# Altium PCB Temp_meter_16CH.PcbDoc (part 3 of 4) (continued)
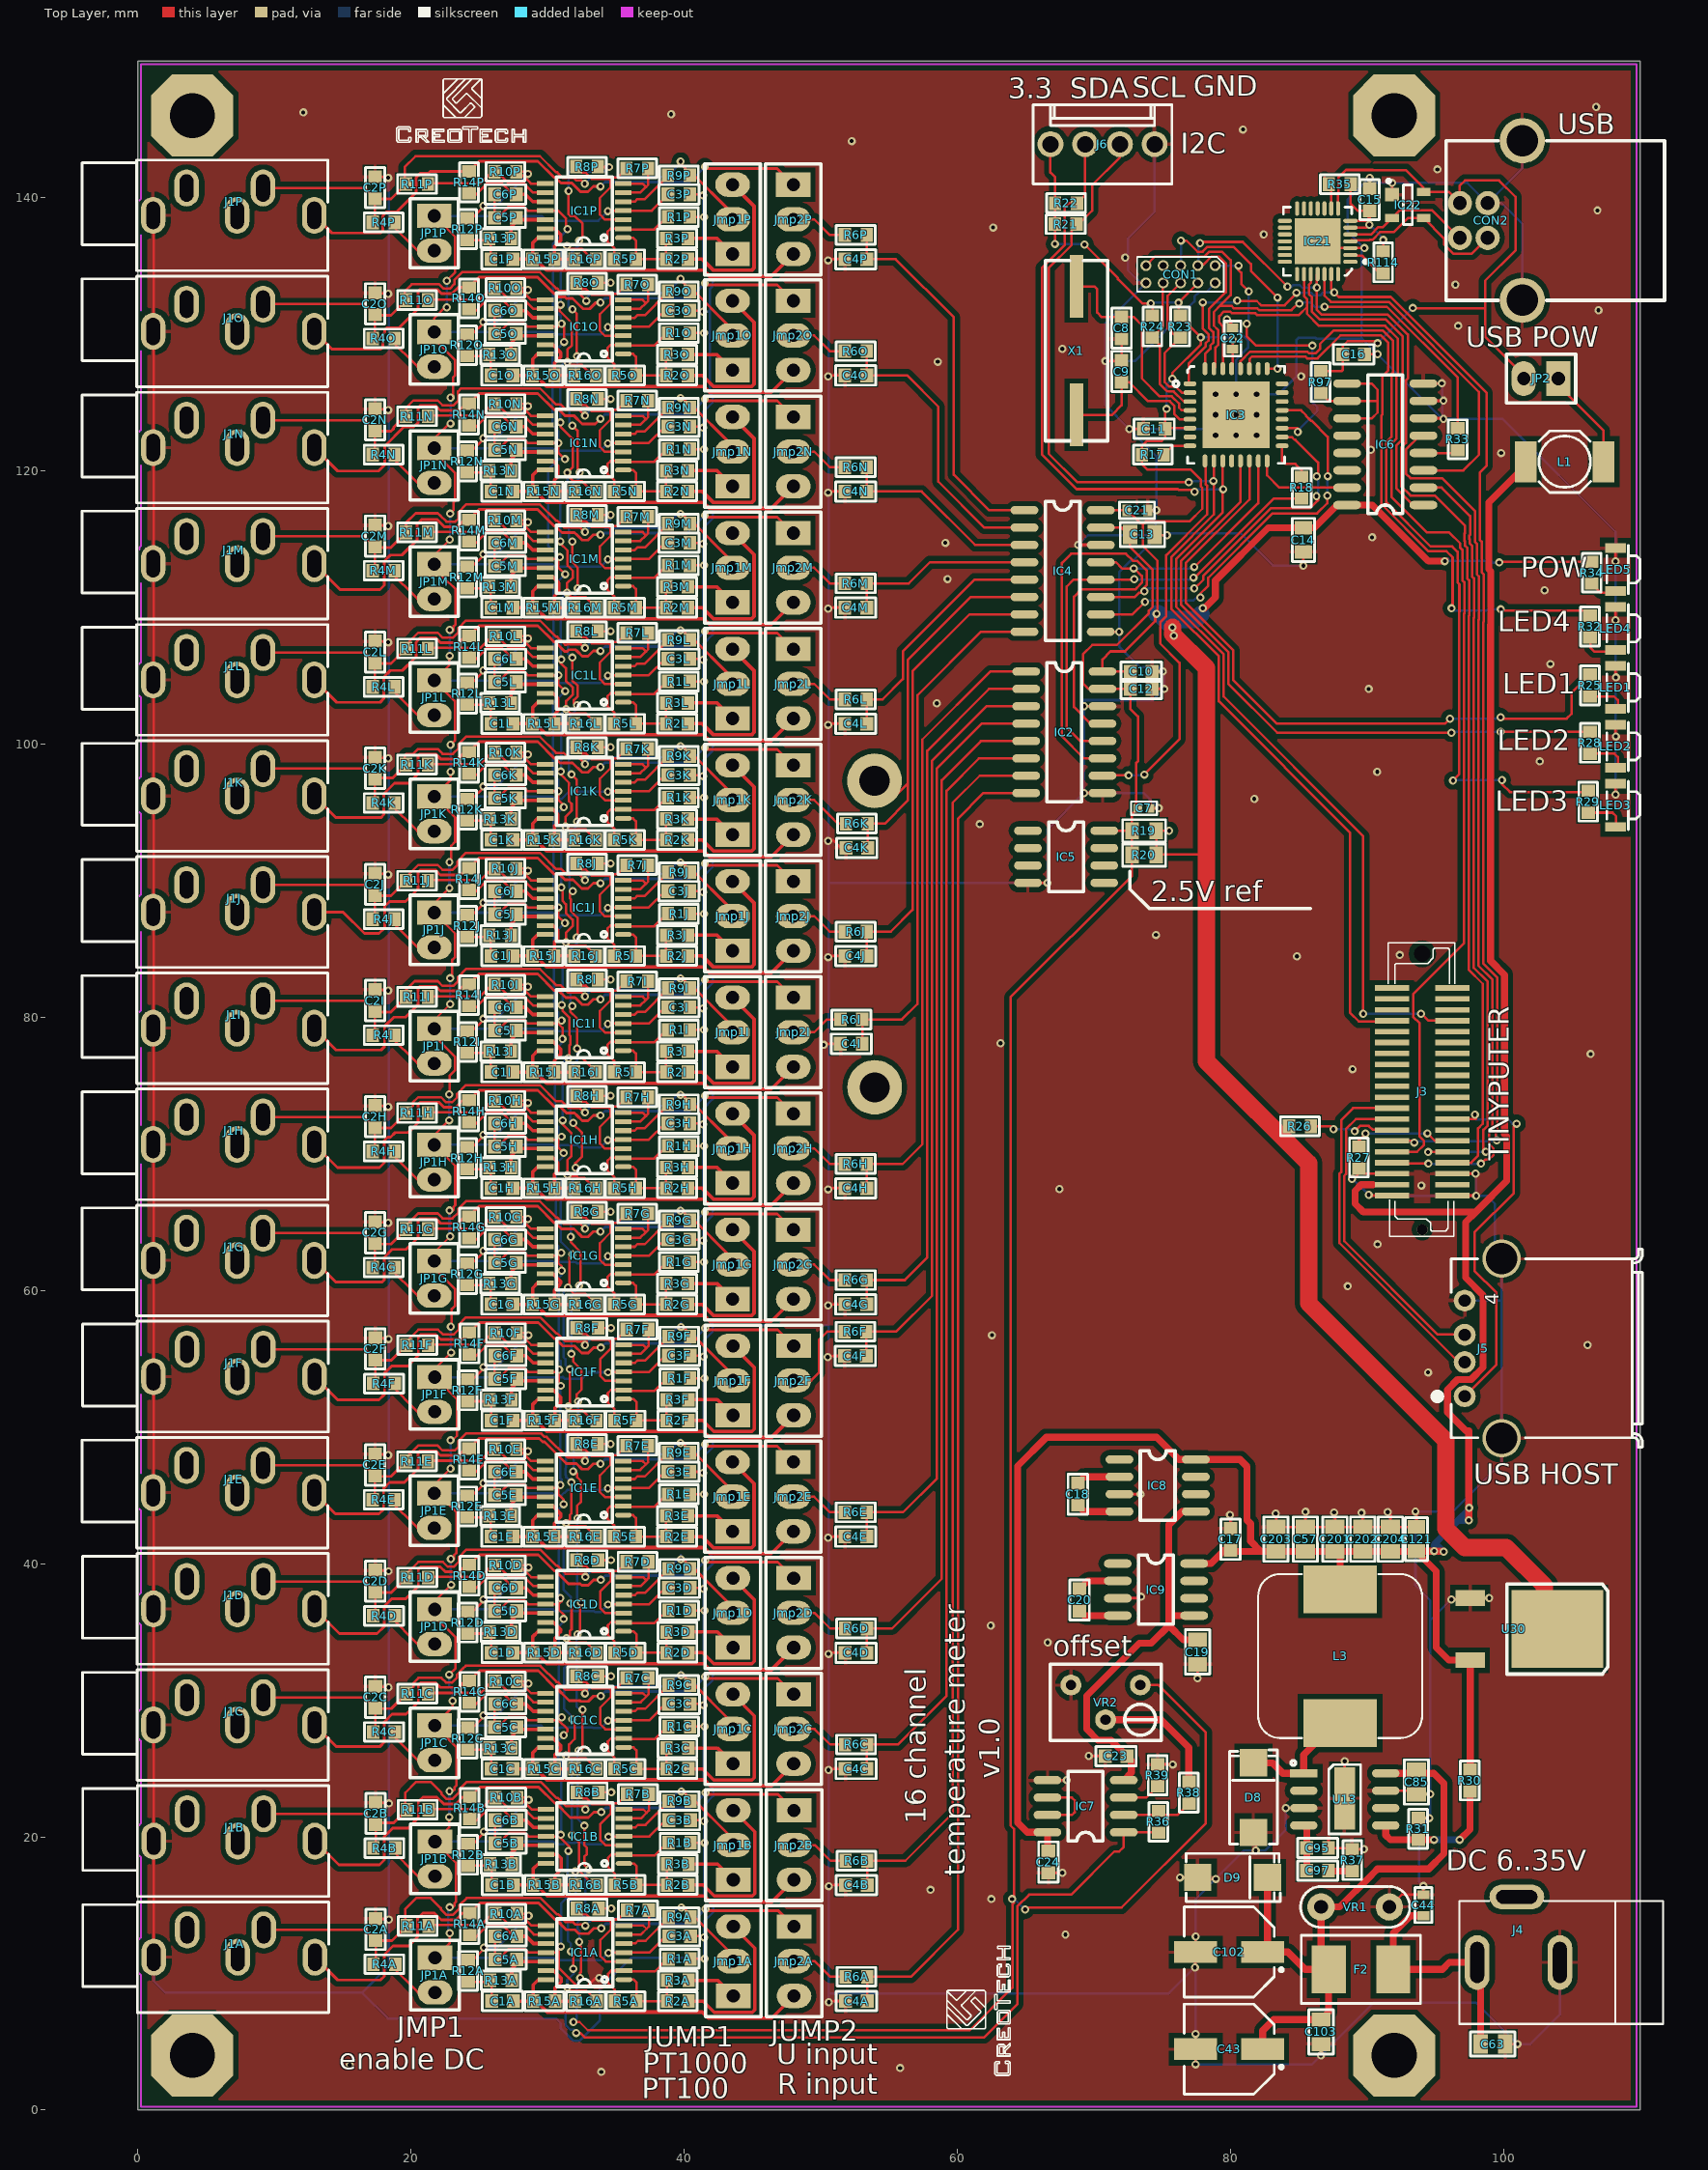
[diagram p0: Top Layer view]
## Nets (pads, with @x,y where several pads share a name; then routed paths per layer and width w, separated by ;. In a path a pad name is that pad's centre, name@x,y a point inside that pad or via, vN(x,y) a via of type N, cw(c..) or ccw(c..) an arc to the next point about the centre after c; other vN are vias at no path point) (continued)
NetC20_2: C20.2 IC9.4 | length 2.9
  Top Layer w0.508: C20.2@68.961,36.538 69.304,36.195 IC9.4@71.755,36.195
NetC43_1: C43.1 C85.1 C102.1 C103.1 D9.K F2.2 U13.8 VR1.1 | length 46
  Top Layer w0.508: C43.1@82.36,4.457 82.36,5.81 83.177,6.627 C103.1@86.641,6.627 87.197,7.183 F2.2@87.197,10.299 ; D9.K@82.714,17.03 82.714,11.923 C102.1@82.36,11.569 84.206,11.569 85.476,10.299 F2.2@87.197,10.299 ; U13.8@91.371,24.65 93.626,24.65 94.9,24.65 95.643,23.907 95.643,18.768 94.525,17.65 90.775,17.65 90.507,17.382 90.238,17.113 87.996,14.871 VR1.1@86.641,14.871 86.641,10.855 F2.2@87.197,10.299
NetC44_2: C44.2 C63.1 F2.1 J4.3 | length 17.8
  Top Layer w0.508: C44.2@94.134,14.223 93.198,14.223 91.927,12.952 F2.1@91.927,10.299 95.524,10.299 96.032,10.807 J4.3@98.071,10.807 98.314,10.564 C63.1@98.314,4.838
NetC95_2: C95.2 C97.2 U13.4 | length 3.4
  Top Layer w0.508: U13.4@85.371,20.84 85.587,20.624 C95.2@85.587,19.189 C97.2@85.587,17.538
NetC97_1: C97.1 R37.2 | length 1.8
  Top Layer w0.508: C97.1@87.187,17.538 87.225,17.5 R37.2@88.927,17.5
NetCON2_2: CON2.2 IC21.5 IC22.2 | length 9.6
  Top Layer w0.178: IC21.5@88.787,137.291 90.284,137.291 90.804,137.811 91.144,137.811 IC22.2@91.841,138.508 92.407,139.075 94.1,139.075 94.751,139.075 96.781,137.045 CON2.2@96.801,137.045
NetCON2_3: CON2.3 IC21.4 IC22.3 | length 12.6
  Top Layer w0.178: IC21.4@88.787,136.791 88.853,136.858 90.154,136.858 90.195,136.899 90.394,136.899 90.951,137.456 91.965,137.456 93.018,138.508 IC22.3@94.141,138.508 95.645,137.004 95.645,136.566 96.322,135.889 97.677,135.889 CON2.3@98.833,137.045
NetD8_K: D8.K L3.1 U13.1 | length 9
  Top Layer w0.508: D8.K@81.688,25.422 83.078,25.422 83.85,24.65 U13.1@85.371,24.65 85.371,26.004 87.699,28.333 L3.1@88.038,28.333
NetIC1A_1: IC1A.1 R2A.1 R3A.1 R5A.2 | length 6.1
  Top Layer w0.178: IC1A.1@35.604,9.553 36.319,9.553 36.531,9.341 R5A.2@36.531,7.978 R2A.1@38.741,7.978 R3A.1@38.741,9.502
NetIC1A_2: IC1A.2 R1A.2 R5A.1 | length 7
  Top Layer w0.178: R5A.1@34.931,7.978 34.931,8.808 34.443,9.295 34.443,9.981 34.676,10.213 IC1A.2@35.604,10.213 35.666,10.151 37.865,10.151 R1A.2@38.741,11.026
NetIC1A_3: IC1A.3 R7A.2 R8A.1 | length 9.2
  Top Layer w0.178: R8A.1@32.145,14.756 32.584,14.317 32.857,14.317 33.299,13.875 34.529,13.875 34.664,13.74 ; IC1A.3@35.604,10.874 34.265,10.874 33.884,11.255 33.884,12.456 34.664,13.236 34.664,13.74 ; R7A.2@35.828,14.629 35.158,13.96 34.884,13.96 34.664,13.74
NetIC1A_5: IC1A.5 R9A.2 | length 4
  Top Layer w0.178: IC1A.5@35.604,12.195 36.435,12.195 36.628,12.387 37.186,12.387 38.793,13.994 R9A.2@38.876,13.994
NetIC1A_6: IC1A.6 IC1A.7 R7A.1 | length 5
  Top Layer w0.178: IC1A.6@35.604,12.855 36.847,12.855 37.263,13.27 ; IC1A.7@35.604,13.515 37.017,13.515 37.263,13.27 ; R7A.1@37.428,14.629 37.428,13.435 37.263,13.27
NetIC1A_8: IC1A.8 R10A.2 R12A.1 | length 9.5
  Top Layer w0.178: R12A.1@24.182,10.984 24.55,10.984 25.35,11.784 v1(25.35,11.886) ; v1(28.627,14.223) 28.779,14.375 R10A.2@27.776,14.375 27.98,14.375 28.839,13.515 IC1A.8@29.889,13.515
  Bottom Layer w0.178: v1(25.35,11.886) 26.29,11.886 v1(28.627,14.223)
NetIC1A_9: IC1A.9 R10A.1 R11A.2 | length 10.3
  Top Layer w0.178: R11A.2@21.299,13.486 21.349,13.537 22.962,13.537 ; 22.251,13.537 22.962,13.537 ; IC1A.9@29.889,12.855 28.997,12.855 28.361,13.491 27.264,13.491 26.38,14.375 R10A.1@26.176,14.375 25.972,14.375 25.133,13.537 22.962,13.537
NetIC1A_13: IC1A.13 R15A.1 R16A.2 | length 4.7
  Top Layer w0.254: IC1A.13@29.889,10.213 30.447,10.213 31.01,9.65 31.01,9.391 30.562,8.942 R15A.1@30.562,7.978 R16A.2@32.01,7.978
NetIC1B_1: IC1B.1 R2B.1 R3B.1 R5B.2 | length 6.1
  Top Layer w0.178: IC1B.1@35.604,18.053 36.319,18.053 36.531,17.841 R5B.2@36.531,16.478 R2B.1@38.741,16.478 R3B.1@38.741,18.002
NetIC1B_2: IC1B.2 R1B.2 R5B.1 | length 7
  Top Layer w0.178: R5B.1@34.931,16.478 34.931,17.308 34.443,17.795 34.443,18.481 34.676,18.713 IC1B.2@35.604,18.713 35.666,18.651 37.865,18.651 R1B.2@38.741,19.526
NetIC1B_3: IC1B.3 R7B.2 R8B.1 | length 9.2
  Top Layer w0.178: R8B.1@32.145,23.256 32.584,22.817 32.857,22.817 33.299,22.375 34.529,22.375 34.664,22.24 ; IC1B.3@35.604,19.374 34.265,19.374 33.884,19.755 33.884,20.956 34.664,21.736 34.664,22.24 ; R7B.2@35.828,23.129 35.158,22.46 34.884,22.46 34.664,22.24
NetIC1B_5: IC1B.5 R9B.2 | length 4
  Top Layer w0.178: IC1B.5@35.604,20.695 36.435,20.695 36.628,20.887 37.186,20.887 38.029,21.73 38.12,21.821 38.793,22.494 R9B.2@38.876,22.494
NetIC1B_6: IC1B.6 IC1B.7 R7B.1 | length 5
  Top Layer w0.178: IC1B.6@35.604,21.355 36.847,21.355 37.263,21.77 ; IC1B.7@35.604,22.015 37.017,22.015 37.263,21.77 ; R7B.1@37.428,23.129 37.428,21.935 37.263,21.77
NetIC1B_8: IC1B.8 R10B.2 R12B.1 | length 9.5
  Top Layer w0.178: R12B.1@24.182,19.484 24.55,19.484 25.35,20.284 v1(25.35,20.386) ; v1(28.627,22.723) 28.779,22.875 R10B.2@27.776,22.875 27.98,22.875 28.839,22.015 IC1B.8@29.889,22.015
  Bottom Layer w0.178: v1(25.35,20.386) 26.29,20.386 v1(28.627,22.723)
NetIC1B_9: IC1B.9 R10B.1 R11B.2 | length 10.3
  Top Layer w0.178: R11B.2@21.299,21.986 21.349,22.037 22.962,22.037 ; 22.251,22.037 22.962,22.037 ; IC1B.9@29.889,21.355 28.997,21.355 28.361,21.991 27.264,21.991 26.38,22.875 R10B.1@26.176,22.875 25.972,22.875 25.133,22.037 22.962,22.037
NetIC1B_13: IC1B.13 R15B.1 R16B.2 | length 4.8
  Top Layer w0.254: IC1B.13@29.889,18.713 30.722,18.713 31.01,18.425 31.01,17.614 30.562,17.165 R15B.1@30.562,16.478 R16B.2@32.01,16.478
NetIC1C_1: IC1C.1 R2C.1 R3C.1 R5C.2 | length 6.1
  Top Layer w0.178: IC1C.1@35.579,26.553 36.294,26.553 36.506,26.341 R5C.2@36.506,24.978 R2C.1@38.716,24.978 R3C.1@38.716,26.502
NetIC1C_2: IC1C.2 R1C.2 R5C.1 | length 7
  Top Layer w0.178: R5C.1@34.906,24.978 34.906,25.808 34.418,26.295 34.418,26.981 34.651,27.213 IC1C.2@35.579,27.213 35.641,27.151 37.84,27.151 R1C.2@38.716,28.026
NetIC1C_3: IC1C.3 R7C.2 R8C.1 | length 9.2
  Top Layer w0.178: R8C.1@32.12,31.756 32.559,31.317 32.832,31.317 33.274,30.875 34.504,30.875 34.639,30.74 ; IC1C.3@35.579,27.874 34.24,27.874 33.859,28.255 33.859,29.456 34.639,30.236 34.639,30.74 ; R7C.2@35.803,31.629 35.133,30.96 34.859,30.96 34.639,30.74
NetIC1C_5: IC1C.5 R9C.2 | length 4
  Top Layer w0.178: IC1C.5@35.579,29.195 36.41,29.195 36.603,29.387 37.161,29.387 38.768,30.994 R9C.2@38.851,30.994
NetIC1C_6: IC1C.6 IC1C.7 R7C.1 | length 5
  Top Layer w0.178: IC1C.6@35.579,29.855 36.822,29.855 37.238,30.27 ; IC1C.7@35.579,30.515 36.992,30.515 37.238,30.27 ; R7C.1@37.403,31.629 37.403,30.435 37.238,30.27
NetIC1C_8: IC1C.8 R10C.2 R12C.1 | length 9.5
  Top Layer w0.178: R12C.1@24.157,27.984 24.525,27.984 25.325,28.784 v1(25.325,28.886) ; v1(28.602,31.223) 28.754,31.375 R10C.2@27.751,31.375 27.955,31.375 28.814,30.515 IC1C.8@29.864,30.515
  Bottom Layer w0.178: v1(25.325,28.886) 26.265,28.886 v1(28.602,31.223)
NetIC1C_9: IC1C.9 R10C.1 R11C.2 | length 10.3
  Top Layer w0.178: R11C.2@21.274,30.486 21.324,30.537 22.937,30.537 ; 22.226,30.537 22.937,30.537 ; IC1C.9@29.864,29.855 28.972,29.855 28.336,30.491 27.239,30.491 26.355,31.375 R10C.1@26.151,31.375 25.947,31.375 25.108,30.537 22.937,30.537
NetIC1C_13: IC1C.13 R15C.1 R16C.2 | length 4.7
  Top Layer w0.254: IC1C.13@29.864,27.213 30.422,27.213 30.985,26.65 30.985,26.425 30.537,25.976 R15C.1@30.537,24.978 R16C.2@31.985,24.978
NetIC1D_1: IC1D.1 R2D.1 R3D.1 R5D.2 | length 6.1
  Top Layer w0.178: IC1D.1@35.579,35.053 36.294,35.053 36.506,34.841 R5D.2@36.506,33.478 R2D.1@38.716,33.478 R3D.1@38.716,35.002
NetIC1D_2: IC1D.2 R1D.2 R5D.1 | length 7
  Top Layer w0.178: R5D.1@34.906,33.478 34.906,34.308 34.418,34.795 34.418,35.481 34.651,35.713 IC1D.2@35.579,35.713 35.641,35.651 37.84,35.651 R1D.2@38.716,36.526
NetIC1D_3: IC1D.3 R7D.2 R8D.1 | length 9.2
  Top Layer w0.178: R8D.1@32.12,40.256 32.559,39.817 32.832,39.817 33.274,39.375 34.504,39.375 34.639,39.24 ; IC1D.3@35.579,36.374 34.24,36.374 33.859,36.755 33.859,37.956 34.639,38.736 34.639,39.24 ; R7D.2@35.803,40.129 35.133,39.46 34.859,39.46 34.639,39.24
NetIC1D_5: IC1D.5 R9D.2 | length 4
  Top Layer w0.178: IC1D.5@35.579,37.695 36.41,37.695 36.603,37.887 37.161,37.887 38.768,39.494 R9D.2@38.851,39.494
NetIC1D_6: IC1D.6 IC1D.7 R7D.1 | length 5
  Top Layer w0.178: IC1D.6@35.579,38.355 36.822,38.355 37.238,38.77 ; IC1D.7@35.579,39.015 36.992,39.015 37.238,38.77 ; R7D.1@37.403,40.129 37.403,38.935 37.238,38.77
NetIC1D_8: IC1D.8 R10D.2 R12D.1 | length 9.5
  Top Layer w0.178: R12D.1@24.157,36.484 24.525,36.484 25.325,37.284 v1(25.325,37.386) ; v1(28.602,39.723) 28.754,39.875 R10D.2@27.751,39.875 27.955,39.875 28.814,39.015 IC1D.8@29.864,39.015
  Bottom Layer w0.178: v1(25.325,37.386) 26.265,37.386 v1(28.602,39.723)
NetIC1D_9: IC1D.9 R10D.1 R11D.2 | length 10.3
  Top Layer w0.178: R11D.2@21.274,38.986 21.324,39.037 22.937,39.037 ; 22.226,39.037 22.937,39.037 ; IC1D.9@29.864,38.355 28.972,38.355 28.336,38.991 27.239,38.991 26.355,39.875 R10D.1@26.151,39.875 25.947,39.875 25.108,39.037 22.937,39.037
NetIC1D_13: IC1D.13 R15D.1 R16D.2 | length 4.7
  Top Layer w0.254: IC1D.13@29.864,35.713 30.422,35.713 30.985,35.15 30.985,35.066 30.778,34.858 30.778,34.749 30.537,34.508 R15D.1@30.537,33.478 R16D.2@31.985,33.478
NetIC1E_1: IC1E.1 R2E.1 R3E.1 R5E.2 | length 6.1
  Top Layer w0.178: IC1E.1@35.554,43.553 36.269,43.553 36.481,43.341 R5E.2@36.481,41.978 R2E.1@38.691,41.978 R3E.1@38.691,43.502
NetIC1E_2: IC1E.2 R1E.2 R5E.1 | length 7
  Top Layer w0.178: R5E.1@34.881,41.978 34.881,42.808 34.393,43.295 34.393,43.981 34.626,44.213 IC1E.2@35.554,44.213 35.616,44.151 37.815,44.151 R1E.2@38.691,45.026
NetIC1E_3: IC1E.3 R7E.2 R8E.1 | length 9.2
  Top Layer w0.178: R8E.1@32.095,48.756 32.534,48.317 32.807,48.317 33.249,47.875 34.479,47.875 34.614,47.74 ; IC1E.3@35.554,44.874 34.215,44.874 33.834,45.255 33.834,46.456 34.614,47.236 34.614,47.74 ; R7E.2@35.778,48.629 35.108,47.96 34.834,47.96 34.614,47.74
NetIC1E_5: IC1E.5 R9E.2 | length 4
  Top Layer w0.178: IC1E.5@35.554,46.195 36.385,46.195 36.578,46.387 37.136,46.387 38.743,47.994 R9E.2@38.826,47.994
NetIC1E_6: IC1E.6 IC1E.7 R7E.1 | length 5
  Top Layer w0.178: IC1E.6@35.554,46.855 36.797,46.855 37.213,47.27 ; IC1E.7@35.554,47.515 36.967,47.515 37.213,47.27 ; R7E.1@37.378,48.629 37.378,47.435 37.213,47.27
NetIC1E_8: IC1E.8 R10E.2 R12E.1 | length 9.5
  Top Layer w0.178: R12E.1@24.132,44.984 24.5,44.984 25.3,45.784 v1(25.3,45.886) ; v1(28.577,48.223) 28.729,48.375 R10E.2@27.726,48.375 27.93,48.375 28.789,47.515 IC1E.8@29.839,47.515
  Bottom Layer w0.178: v1(25.3,45.886) 26.24,45.886 v1(28.577,48.223)
NetIC1E_9: IC1E.9 R10E.1 R11E.2 | length 10.3
  Top Layer w0.178: R11E.2@21.249,47.486 21.299,47.537 22.912,47.537 ; 22.201,47.537 22.912,47.537 ; IC1E.9@29.839,46.855 28.947,46.855 28.311,47.491 27.214,47.491 26.33,48.375 R10E.1@26.126,48.375 25.922,48.375 25.083,47.537 22.912,47.537
NetIC1E_13: IC1E.13 R15E.1 R16E.2 | length 4.7
  Top Layer w0.254: IC1E.13@29.839,44.213 30.397,44.213 30.96,43.65 30.96,43.416 30.512,42.968 R15E.1@30.512,41.978 R16E.2@31.96,41.978
NetIC1F_1: IC1F.1 R2F.1 R3F.1 R5F.2 | length 6.1
  Top Layer w0.178: IC1F.1@35.579,52.053 36.294,52.053 36.506,51.841 R5F.2@36.506,50.478 R2F.1@38.716,50.478 R3F.1@38.716,52.002
NetIC1F_2: IC1F.2 R1F.2 R5F.1 | length 7
  Top Layer w0.178: R5F.1@34.906,50.478 34.906,51.308 34.418,51.795 34.418,52.481 34.651,52.713 IC1F.2@35.579,52.713 35.641,52.651 37.84,52.651 R1F.2@38.716,53.526
NetIC1F_3: IC1F.3 R7F.2 R8F.1 | length 9.2
  Top Layer w0.178: R8F.1@32.12,57.256 32.559,56.817 32.832,56.817 33.274,56.375 34.504,56.375 34.639,56.24 ; IC1F.3@35.579,53.374 34.24,53.374 33.859,53.755 33.859,54.956 34.639,55.736 34.639,56.24 ; R7F.2@35.803,57.129 35.133,56.46 34.859,56.46 34.639,56.24
NetIC1F_5: IC1F.5 R9F.2 | length 4
  Top Layer w0.178: IC1F.5@35.579,54.695 36.41,54.695 36.603,54.887 37.161,54.887 38.768,56.494 R9F.2@38.851,56.494
NetIC1F_6: IC1F.6 IC1F.7 R7F.1 | length 5
  Top Layer w0.178: IC1F.6@35.579,55.355 36.822,55.355 37.238,55.77 ; IC1F.7@35.579,56.015 36.992,56.015 37.238,55.77 ; R7F.1@37.403,57.129 37.403,55.935 37.238,55.77
NetIC1F_8: IC1F.8 R10F.2 R12F.1 | length 9.5
  Top Layer w0.178: R12F.1@24.157,53.484 24.525,53.484 25.325,54.284 v1(25.325,54.386) ; v1(28.602,56.723) 28.754,56.875 R10F.2@27.751,56.875 27.955,56.875 28.814,56.015 IC1F.8@29.864,56.015
  Bottom Layer w0.178: v1(25.325,54.386) 26.265,54.386 v1(28.602,56.723)
NetIC1F_9: IC1F.9 R10F.1 R11F.2 | length 10.3
  Top Layer w0.178: R11F.2@21.274,55.986 21.324,56.037 22.937,56.037 ; 22.226,56.037 22.937,56.037 ; IC1F.9@29.864,55.355 28.972,55.355 28.336,55.991 27.239,55.991 26.355,56.875 R10F.1@26.151,56.875 25.947,56.875 25.108,56.037 22.937,56.037
NetIC1F_13: IC1F.13 R15F.1 R16F.2 | length 4.7
  Top Layer w0.254: IC1F.13@29.864,52.713 30.422,52.713 30.497,52.638 30.599,52.536 30.985,52.15 30.985,51.816 30.537,51.367 R15F.1@30.537,50.478 R16F.2@31.985,50.478
NetIC1G_1: IC1G.1 R2G.1 R3G.1 R5G.2 | length 6.1
  Top Layer w0.178: IC1G.1@35.554,60.553 36.269,60.553 36.481,60.341 R5G.2@36.481,58.978 R2G.1@38.691,58.978 R3G.1@38.691,60.502
NetIC1G_2: IC1G.2 R1G.2 R5G.1 | length 7
  Top Layer w0.178: R5G.1@34.881,58.978 34.881,59.808 34.393,60.295 34.393,60.981 34.626,61.213 IC1G.2@35.554,61.213 35.616,61.151 37.815,61.151 R1G.2@38.691,62.026
NetIC1G_3: IC1G.3 R7G.2 R8G.1 | length 9.2
  Top Layer w0.178: R8G.1@32.095,65.756 32.534,65.317 32.807,65.317 33.249,64.875 34.479,64.875 34.614,64.74 ; IC1G.3@35.554,61.874 34.215,61.874 33.834,62.255 33.834,63.456 34.614,64.236 34.614,64.74 ; R7G.2@35.778,65.629 35.108,64.96 34.834,64.96 34.614,64.74
NetIC1G_5: IC1G.5 R9G.2 | length 4
  Top Layer w0.178: IC1G.5@35.554,63.195 36.385,63.195 36.578,63.387 37.136,63.387 38.743,64.994 R9G.2@38.826,64.994
NetIC1G_6: IC1G.6 IC1G.7 R7G.1 | length 5
  Top Layer w0.178: IC1G.6@35.554,63.855 36.797,63.855 37.213,64.27 ; IC1G.7@35.554,64.515 36.967,64.515 37.213,64.27 ; R7G.1@37.378,65.629 37.378,64.435 37.213,64.27
NetIC1G_8: IC1G.8 R10G.2 R12G.1 | length 9.5
  Top Layer w0.178: R12G.1@24.132,61.984 24.5,61.984 25.3,62.784 v1(25.3,62.886) ; v1(28.577,65.223) 28.729,65.375 R10G.2@27.726,65.375 27.93,65.375 28.789,64.515 IC1G.8@29.839,64.515
  Bottom Layer w0.178: v1(25.3,62.886) 26.24,62.886 v1(28.577,65.223)
NetIC1G_9: IC1G.9 R10G.1 R11G.2 | length 10.3
  Top Layer w0.178: R11G.2@21.249,64.486 21.299,64.537 22.912,64.537 ; 22.201,64.537 22.912,64.537 ; IC1G.9@29.839,63.855 28.947,63.855 28.311,64.491 27.214,64.491 26.33,65.375 R10G.1@26.126,65.375 25.922,65.375 25.083,64.537 22.912,64.537
NetIC1G_13: IC1G.13 R15G.1 R16G.2 | length 4.7
  Top Layer w0.254: IC1G.13@29.839,61.213 30.397,61.213 30.96,60.65 30.96,60.516 30.895,60.451 30.895,60.391 30.512,60.008 R15G.1@30.512,58.978 R16G.2@31.96,58.978
NetIC1H_1: IC1H.1 R2H.1 R3H.1 R5H.2 | length 6.1
  Top Layer w0.178: IC1H.1@35.554,69.053 36.269,69.053 36.481,68.841 R5H.2@36.481,67.478 R2H.1@38.691,67.478 R3H.1@38.691,69.002
NetIC1H_2: IC1H.2 R1H.2 R5H.1 | length 7
  Top Layer w0.178: R5H.1@34.881,67.478 34.881,68.308 34.393,68.795 34.393,69.481 34.626,69.713 IC1H.2@35.554,69.713 35.616,69.651 37.815,69.651 R1H.2@38.691,70.526
NetIC1H_3: IC1H.3 R7H.2 R8H.1 | length 9.2
  Top Layer w0.178: R8H.1@32.095,74.256 32.534,73.817 32.807,73.817 33.249,73.375 34.479,73.375 34.614,73.24 ; IC1H.3@35.554,70.374 34.215,70.374 33.834,70.755 33.834,71.956 34.614,72.736 34.614,73.24 ; R7H.2@35.778,74.129 35.108,73.46 34.834,73.46 34.614,73.24
NetIC1H_5: IC1H.5 R9H.2 | length 4
  Top Layer w0.178: IC1H.5@35.554,71.695 36.385,71.695 36.578,71.887 37.136,71.887 38.743,73.494 R9H.2@38.826,73.494
NetIC1H_6: IC1H.6 IC1H.7 R7H.1 | length 5
  Top Layer w0.178: IC1H.6@35.554,72.355 36.797,72.355 37.213,72.77 ; IC1H.7@35.554,73.015 36.967,73.015 37.213,72.77 ; R7H.1@37.378,74.129 37.378,72.935 37.213,72.77
NetIC1H_8: IC1H.8 R10H.2 R12H.1 | length 9.5
  Top Layer w0.178: R12H.1@24.132,70.484 24.5,70.484 25.3,71.284 v1(25.3,71.386) ; v1(28.577,73.723) 28.729,73.875 R10H.2@27.726,73.875 27.93,73.875 28.789,73.015 IC1H.8@29.839,73.015
  Bottom Layer w0.178: v1(25.3,71.386) 26.24,71.386 v1(28.577,73.723)
NetIC1H_9: IC1H.9 R10H.1 R11H.2 | length 10.3
  Top Layer w0.178: R11H.2@21.249,72.986 21.299,73.037 22.912,73.037 ; 22.201,73.037 22.912,73.037 ; IC1H.9@29.839,72.355 28.947,72.355 28.311,72.991 27.214,72.991 26.33,73.875 R10H.1@26.126,73.875 25.922,73.875 25.083,73.037 22.912,73.037
NetIC1H_13: IC1H.13 R15H.1 R16H.2 | length 4.5
  Top Layer w0.254: IC1H.13@29.839,69.713 30.397,69.713 30.753,69.357 30.753,68.749 30.512,68.508 30.512,68.003 R15H.1@30.512,67.478 R16H.2@31.96,67.478
NetIC1I_1: IC1I.1 R2I.1 R3I.1 R5I.2 | length 6.1
  Top Layer w0.178: IC1I.1@35.554,77.553 36.269,77.553 36.481,77.341 R5I.2@36.481,75.978 R2I.1@38.691,75.978 R3I.1@38.691,77.502
NetIC1I_2: IC1I.2 R1I.2 R5I.1 | length 7
  Top Layer w0.178: R5I.1@34.881,75.978 34.881,76.808 34.393,77.295 34.393,77.981 34.626,78.213 IC1I.2@35.554,78.213 35.616,78.151 37.815,78.151 R1I.2@38.691,79.026
NetIC1I_3: IC1I.3 R7I.2 R8I.1 | length 9.2
  Top Layer w0.178: R8I.1@32.095,82.756 32.534,82.317 32.807,82.317 33.249,81.875 34.479,81.875 34.614,81.74 ; IC1I.3@35.554,78.874 34.215,78.874 33.834,79.255 33.834,80.456 34.614,81.236 34.614,81.74 ; R7I.2@35.778,82.629 35.108,81.96 34.834,81.96 34.614,81.74
NetIC1I_5: IC1I.5 R9I.2 | length 4
  Top Layer w0.178: IC1I.5@35.554,80.195 36.385,80.195 36.578,80.387 37.136,80.387 38.743,81.994 R9I.2@38.826,81.994
NetIC1I_6: IC1I.6 IC1I.7 R7I.1 | length 5
  Top Layer w0.178: IC1I.6@35.554,80.855 36.797,80.855 37.213,81.27 ; IC1I.7@35.554,81.515 36.967,81.515 37.213,81.27 ; R7I.1@37.378,82.629 37.378,81.435 37.213,81.27
NetIC1I_8: IC1I.8 R10I.2 R12I.1 | length 9.5
  Top Layer w0.178: R12I.1@24.132,78.984 24.5,78.984 25.3,79.784 v1(25.3,79.886) ; v1(28.577,82.223) 28.729,82.375 R10I.2@27.726,82.375 27.93,82.375 28.789,81.515 IC1I.8@29.839,81.515
  Bottom Layer w0.178: v1(25.3,79.886) 26.24,79.886 v1(28.577,82.223)
NetIC1I_9: IC1I.9 R10I.1 R11I.2 | length 10.3
  Top Layer w0.178: R11I.2@21.249,81.486 21.299,81.537 22.912,81.537 ; 22.201,81.537 22.912,81.537 ; IC1I.9@29.839,80.855 28.947,80.855 28.311,81.491 27.214,81.491 26.33,82.375 R10I.1@26.126,82.375 25.922,82.375 25.083,81.537 22.912,81.537
NetIC1I_13: IC1I.13 R15I.1 R16I.2 | length 4.7
  Top Layer w0.254: IC1I.13@29.839,78.213 30.397,78.213 30.96,77.65 30.96,77.266 30.512,76.817 R15I.1@30.512,75.978 R16I.2@31.96,75.978
NetIC1J_1: IC1J.1 R2J.1 R3J.1 R5J.2 | length 6.1
  Top Layer w0.178: IC1J.1@35.554,86.053 36.269,86.053 36.481,85.841 R5J.2@36.481,84.478 R2J.1@38.691,84.478 R3J.1@38.691,86.002
NetIC1J_2: IC1J.2 R1J.2 R5J.1 | length 7
  Top Layer w0.178: R5J.1@34.881,84.478 34.881,85.308 34.393,85.795 34.393,86.481 34.626,86.713 IC1J.2@35.554,86.713 35.616,86.651 37.815,86.651 R1J.2@38.691,87.526
NetIC1J_3: IC1J.3 R7J.2 R8J.1 | length 9.2
  Top Layer w0.178: R8J.1@32.095,91.256 32.534,90.817 32.807,90.817 33.249,90.375 34.479,90.375 34.614,90.24 ; IC1J.3@35.554,87.374 34.215,87.374 33.834,87.755 33.834,88.956 34.614,89.736 34.614,90.24 ; R7J.2@35.778,91.129 35.108,90.46 34.834,90.46 34.614,90.24
NetIC1J_5: IC1J.5 R9J.2 | length 4
  Top Layer w0.178: IC1J.5@35.554,88.695 36.385,88.695 36.578,88.887 37.077,88.887 37.136,88.887 38.743,90.494 R9J.2@38.826,90.494
NetIC1J_6: IC1J.6 IC1J.7 R7J.1 | length 5
  Top Layer w0.178: IC1J.6@35.554,89.355 36.797,89.355 37.213,89.77 ; IC1J.7@35.554,90.015 36.967,90.015 37.213,89.77 ; R7J.1@37.378,91.129 37.378,89.935 37.213,89.77
NetIC1J_8: IC1J.8 R10J.2 R12J.1 | length 9.5
  Top Layer w0.178: R12J.1@24.132,87.484 24.5,87.484 25.3,88.284 v1(25.3,88.386) ; v1(28.577,90.723) 28.729,90.875 R10J.2@27.726,90.875 27.93,90.875 28.789,90.015 IC1J.8@29.839,90.015
  Bottom Layer w0.178: v1(25.3,88.386) 26.24,88.386 v1(28.577,90.723)
NetIC1J_9: IC1J.9 R10J.1 R11J.2 | length 10.3
  Top Layer w0.178: R11J.2@21.249,89.986 21.299,90.037 22.912,90.037 ; 22.201,90.037 22.912,90.037 ; IC1J.9@29.839,89.355 28.947,89.355 28.311,89.991 27.214,89.991 26.33,90.875 R10J.1@26.126,90.875 25.922,90.875 25.083,90.037 22.912,90.037
NetIC1J_13: IC1J.13 R15J.1 R16J.2 | length 4.5
  Top Layer w0.254: IC1J.13@29.839,86.713 30.397,86.713 30.753,86.357 30.753,85.736 30.512,85.495 R15J.1@30.512,84.478 R16J.2@31.96,84.478
NetIC1K_1: IC1K.1 R2K.1 R3K.1 R5K.2 | length 6.1
  Top Layer w0.178: IC1K.1@35.554,94.553 36.269,94.553 36.481,94.341 R5K.2@36.481,92.978 R2K.1@38.691,92.978 R3K.1@38.691,94.502
NetIC1K_2: IC1K.2 R1K.2 R5K.1 | length 7
  Top Layer w0.178: R5K.1@34.881,92.978 34.881,93.808 34.393,94.295 34.393,94.981 34.626,95.213 IC1K.2@35.554,95.213 35.616,95.151 37.815,95.151 R1K.2@38.691,96.026
NetIC1K_3: IC1K.3 R7K.2 R8K.1 | length 9.2
  Top Layer w0.178: R8K.1@32.095,99.756 32.534,99.317 32.807,99.317 33.249,98.875 34.479,98.875 34.614,98.74 ; IC1K.3@35.554,95.874 34.215,95.874 33.834,96.255 33.834,97.456 34.614,98.236 34.614,98.74 ; R7K.2@35.778,99.629 35.108,98.96 34.834,98.96 34.614,98.74
NetIC1K_5: IC1K.5 R9K.2 | length 4
  Top Layer w0.178: IC1K.5@35.554,97.195 36.385,97.195 36.578,97.387 37.136,97.387 38.743,98.994 R9K.2@38.826,98.994
NetIC1K_6: IC1K.6 IC1K.7 R7K.1 | length 5
  Top Layer w0.178: IC1K.6@35.554,97.855 36.797,97.855 37.213,98.27 ; IC1K.7@35.554,98.515 36.967,98.515 37.213,98.27 ; R7K.1@37.378,99.629 37.378,98.435 37.213,98.27
NetIC1K_8: IC1K.8 R10K.2 R12K.1 | length 9.5
  Top Layer w0.178: R12K.1@24.132,95.984 24.5,95.984 25.3,96.784 v1(25.3,96.886) ; v1(28.577,99.223) 28.729,99.375 R10K.2@27.726,99.375 27.93,99.375 28.789,98.515 IC1K.8@29.839,98.515
  Bottom Layer w0.178: v1(25.3,96.886) 26.24,96.886 v1(28.577,99.223)
NetIC1K_9: IC1K.9 R10K.1 R11K.2 | length 10.3
  Top Layer w0.178: R11K.2@21.249,98.486 21.299,98.537 22.912,98.537 ; 22.201,98.537 22.912,98.537 ; IC1K.9@29.839,97.855 28.947,97.855 28.311,98.491 27.214,98.491 26.33,99.375 R10K.1@26.126,99.375 25.922,99.375 25.083,98.537 22.912,98.537
NetIC1K_13: IC1K.13 R15K.1 R16K.2 | length 4.5
  Top Layer w0.254: IC1K.13@29.839,95.213 30.397,95.213 30.753,94.857 30.753,94.249 30.512,94.008 R15K.1@30.512,92.978 R16K.2@31.96,92.978
NetIC1L_1: IC1L.1 R2L.1 R3L.1 R5L.2 | length 6.1
  Top Layer w0.178: IC1L.1@35.554,103.053 36.269,103.053 36.481,102.841 R5L.2@36.481,101.478 R2L.1@38.691,101.478 R3L.1@38.691,103.002
NetIC1L_2: IC1L.2 R1L.2 R5L.1 | length 7
  Top Layer w0.178: R5L.1@34.881,101.478 34.881,102.308 34.393,102.795 34.393,103.481 34.626,103.713 IC1L.2@35.554,103.713 35.616,103.651 37.815,103.651 R1L.2@38.691,104.526
NetIC1L_3: IC1L.3 R7L.2 R8L.1 | length 9.2
  Top Layer w0.178: R8L.1@32.095,108.256 32.534,107.817 32.807,107.817 33.249,107.375 34.479,107.375 34.614,107.24 ; IC1L.3@35.554,104.374 34.215,104.374 33.834,104.755 33.834,105.956 34.614,106.736 34.614,107.24 ; R7L.2@35.778,108.129 35.108,107.46 34.834,107.46 34.614,107.24
NetIC1L_5: IC1L.5 R9L.2 | length 4
  Top Layer w0.178: IC1L.5@35.554,105.695 36.385,105.695 36.578,105.887 37.136,105.887 38.743,107.494 R9L.2@38.826,107.494
NetIC1L_6: IC1L.6 IC1L.7 R7L.1 | length 5
  Top Layer w0.178: IC1L.6@35.554,106.355 36.797,106.355 37.213,106.77 ; IC1L.7@35.554,107.015 36.967,107.015 37.213,106.77 ; R7L.1@37.378,108.129 37.378,106.935 37.213,106.77
NetIC1L_8: IC1L.8 R10L.2 R12L.1 | length 9.5
  Top Layer w0.178: R12L.1@24.132,104.484 24.5,104.484 25.3,105.284 v1(25.3,105.386) ; v1(28.577,107.723) 28.729,107.875 R10L.2@27.726,107.875 27.93,107.875 28.789,107.015 IC1L.8@29.839,107.015
  Bottom Layer w0.178: v1(25.3,105.386) 26.24,105.386 v1(28.577,107.723)
NetIC1L_9: IC1L.9 R10L.1 R11L.2 | length 10.3
  Top Layer w0.178: R11L.2@21.249,106.986 21.299,107.037 22.912,107.037 ; 22.201,107.037 22.912,107.037 ; IC1L.9@29.839,106.355 28.947,106.355 28.311,106.991 27.214,106.991 26.33,107.875 R10L.1@26.126,107.875 25.922,107.875 25.083,107.037 22.912,107.037
NetIC1L_13: IC1L.13 R15L.1 R16L.2 | length 4.5
  Top Layer w0.254: IC1L.13@29.839,103.713 30.397,103.713 30.715,103.395 30.77,103.34 30.77,102.423 30.512,102.165 R15L.1@30.512,101.478 R16L.2@31.96,101.478
NetIC1M_1: IC1M.1 R2M.1 R3M.1 R5M.2 | length 6.1
  Top Layer w0.178: IC1M.1@35.554,111.553 36.269,111.553 36.481,111.341 R5M.2@36.481,109.978 R2M.1@38.691,109.978 R3M.1@38.691,111.502
NetIC1M_2: IC1M.2 R1M.2 R5M.1 | length 7
  Top Layer w0.178: R5M.1@34.881,109.978 34.881,110.808 34.393,111.295 34.393,111.981 34.626,112.213 IC1M.2@35.554,112.213 35.616,112.151 37.815,112.151 R1M.2@38.691,113.026
NetIC1M_3: IC1M.3 R7M.2 R8M.1 | length 9.2
  Top Layer w0.178: R8M.1@32.095,116.756 32.534,116.317 32.807,116.317 33.249,115.875 34.479,115.875 34.614,115.74 ; IC1M.3@35.554,112.874 34.215,112.874 33.834,113.255 33.834,114.456 34.614,115.236 34.614,115.74 ; R7M.2@35.778,116.629 35.108,115.96 34.834,115.96 34.614,115.74
NetIC1M_5: IC1M.5 R9M.2 | length 4
  Top Layer w0.178: IC1M.5@35.554,114.195 36.385,114.195 36.578,114.387 37.136,114.387 38.743,115.994 R9M.2@38.826,115.994
NetIC1M_6: IC1M.6 IC1M.7 R7M.1 | length 5
  Top Layer w0.178: IC1M.6@35.554,114.855 36.797,114.855 37.213,115.27 ; IC1M.7@35.554,115.515 36.967,115.515 37.213,115.27 ; R7M.1@37.378,116.629 37.378,115.435 37.213,115.27
NetIC1M_8: IC1M.8 R10M.2 R12M.1 | length 9.5
  Top Layer w0.178: R12M.1@24.132,112.984 24.5,112.984 25.3,113.784 v1(25.3,113.886) ; v1(28.577,116.223) 28.729,116.375 R10M.2@27.726,116.375 27.93,116.375 28.789,115.515 IC1M.8@29.839,115.515
  Bottom Layer w0.178: v1(25.3,113.886) 26.24,113.886 v1(28.577,116.223)
NetIC1M_9: IC1M.9 R10M.1 R11M.2 | length 10.3
  Top Layer w0.178: R11M.2@21.249,115.486 21.299,115.537 22.912,115.537 ; 22.201,115.537 22.912,115.537 ; IC1M.9@29.839,114.855 28.947,114.855 28.311,115.491 27.214,115.491 26.33,116.375 R10M.1@26.126,116.375 25.922,116.375 25.083,115.537 22.912,115.537
NetIC1M_13: IC1M.13 R15M.1 R16M.2 | length 4.5
  Top Layer w0.254: IC1M.13@29.839,112.213 30.397,112.213 30.82,111.79 30.82,111.129 30.512,110.821 R15M.1@30.512,109.978 R16M.2@31.96,109.978
NetIC1N_1: IC1N.1 R2N.1 R3N.1 R5N.2 | length 6.1
  Top Layer w0.178: IC1N.1@35.554,120.053 36.269,120.053 36.481,119.841 R5N.2@36.481,118.478 R2N.1@38.691,118.478 R3N.1@38.691,120.002
NetIC1N_2: IC1N.2 R1N.2 R5N.1 | length 7
  Top Layer w0.178: R5N.1@34.881,118.478 34.881,119.308 34.393,119.795 34.393,120.481 34.626,120.713 IC1N.2@35.554,120.713 35.616,120.651 37.815,120.651 R1N.2@38.691,121.526
NetIC1N_3: IC1N.3 R7N.2 R8N.1 | length 9.2
  Top Layer w0.178: R8N.1@32.095,125.256 32.534,124.817 32.807,124.817 33.249,124.375 34.479,124.375 34.614,124.24 ; IC1N.3@35.554,121.374 34.215,121.374 33.834,121.755 33.834,122.956 34.614,123.736 34.614,124.24 ; R7N.2@35.778,125.129 35.108,124.46 34.834,124.46 34.614,124.24
NetIC1N_5: IC1N.5 R9N.2 | length 4
  Top Layer w0.178: IC1N.5@35.554,122.695 36.385,122.695 36.578,122.887 37.136,122.887 38.743,124.494 R9N.2@38.826,124.494
NetIC1N_6: IC1N.6 IC1N.7 R7N.1 | length 5
  Top Layer w0.178: IC1N.6@35.554,123.355 36.797,123.355 37.213,123.77 ; IC1N.7@35.554,124.015 36.967,124.015 37.213,123.77 ; R7N.1@37.378,125.129 37.378,123.935 37.213,123.77
NetIC1N_8: IC1N.8 R10N.2 R12N.1 | length 9.5
  Top Layer w0.178: R12N.1@24.132,121.484 24.5,121.484 25.3,122.284 v1(25.3,122.386) ; v1(28.577,124.723) 28.729,124.875 R10N.2@27.726,124.875 27.93,124.875 28.789,124.015 IC1N.8@29.839,124.015
  Bottom Layer w0.178: v1(25.3,122.386) 26.24,122.386 v1(28.577,124.723)
NetIC1N_9: IC1N.9 R10N.1 R11N.2 | length 10.3
  Top Layer w0.178: R11N.2@21.249,123.986 21.299,124.037 22.912,124.037 ; 22.201,124.037 22.912,124.037 ; IC1N.9@29.839,123.355 28.947,123.355 28.311,123.991 27.214,123.991 26.33,124.875 R10N.1@26.126,124.875 25.922,124.875 25.083,124.037 22.912,124.037
NetIC1N_13: IC1N.13 R15N.1 R16N.2 | length 4.5
  Top Layer w0.254: IC1N.13@29.839,120.713 30.397,120.713 30.753,120.357 30.753,119.558 30.512,119.317 R15N.1@30.512,118.478 R16N.2@31.96,118.478
NetIC1O_1: IC1O.1 R2O.1 R3O.1 R5O.2 | length 6.1
  Top Layer w0.178: IC1O.1@35.554,128.553 36.269,128.553 36.481,128.341 R5O.2@36.481,126.978 R2O.1@38.691,126.978 R3O.1@38.691,128.502
NetIC1O_2: IC1O.2 R1O.2 R5O.1 | length 7
  Top Layer w0.178: R5O.1@34.881,126.978 34.881,127.808 34.393,128.295 34.393,128.981 34.626,129.213 IC1O.2@35.554,129.213 35.616,129.151 37.815,129.151 R1O.2@38.691,130.026
NetIC1O_3: IC1O.3 R7O.2 R8O.1 | length 9.2
  Top Layer w0.178: R8O.1@32.095,133.756 32.534,133.317 32.807,133.317 33.249,132.875 34.479,132.875 34.614,132.74 ; IC1O.3@35.554,129.874 34.215,129.874 33.834,130.255 33.834,131.456 34.614,132.236 34.614,132.74 ; R7O.2@35.778,133.629 35.108,132.96 34.834,132.96 34.614,132.74
NetIC1O_5: IC1O.5 R9O.2 | length 4
  Top Layer w0.178: IC1O.5@35.554,131.195 36.385,131.195 36.578,131.387 37.136,131.387 38.743,132.994 R9O.2@38.826,132.994